# KiCad board Cockpit.kicad_pcb
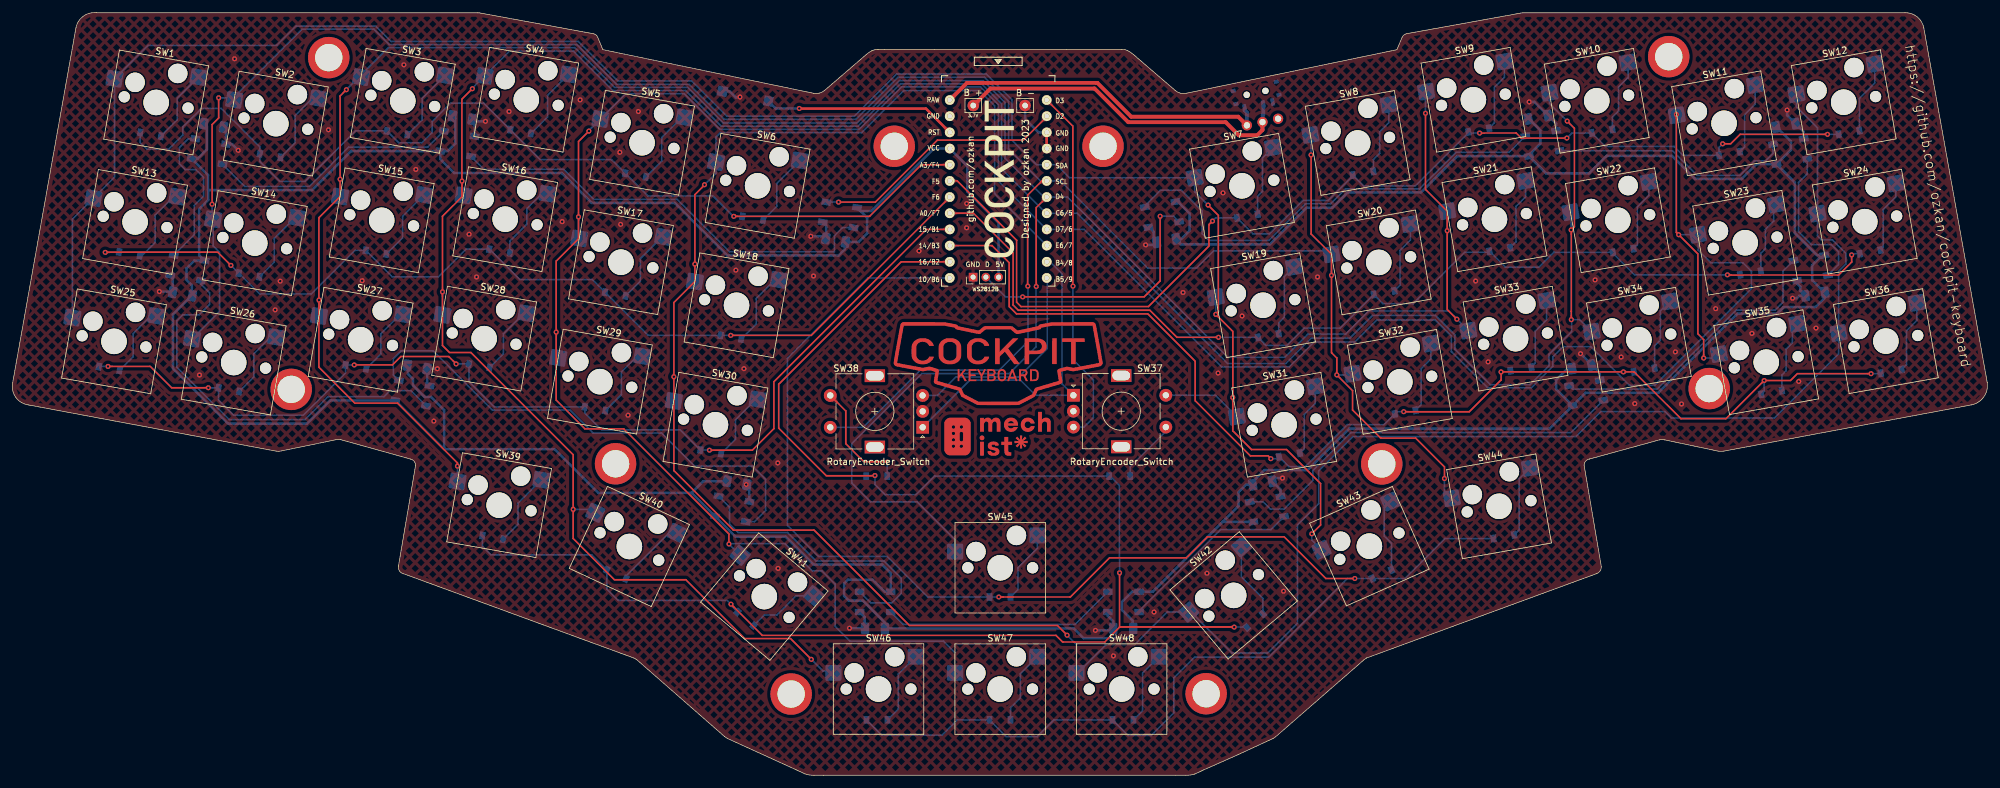
[diagram p0: board, top side]
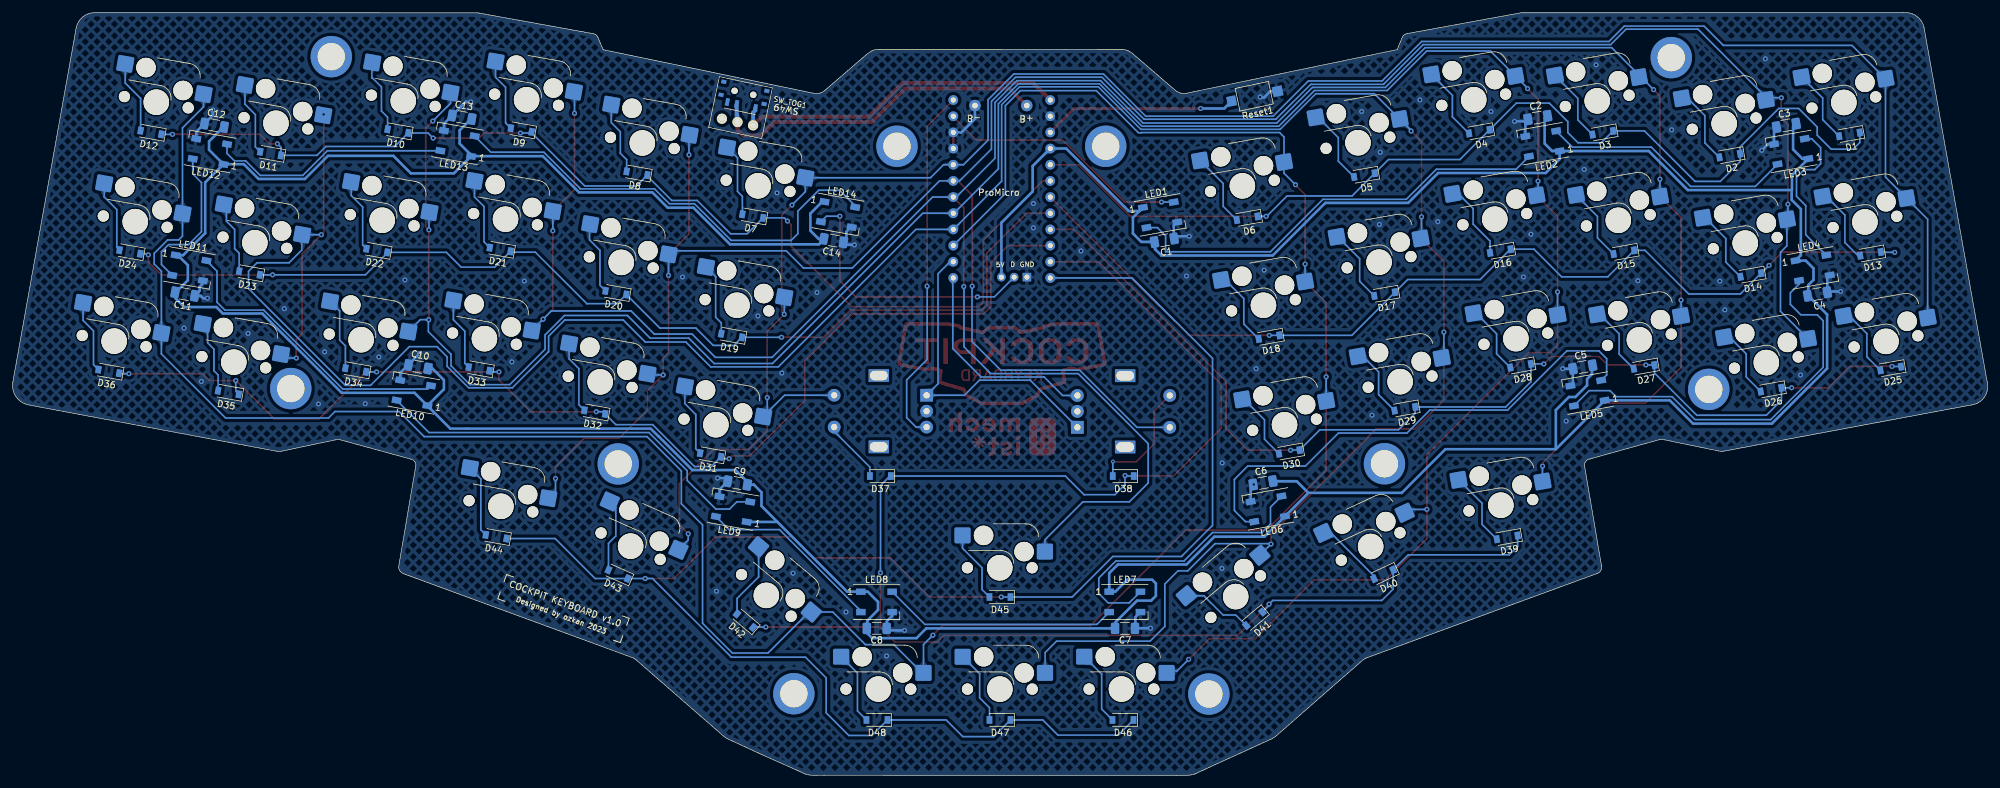
[diagram p1: board, bottom side, seen from below]

Outline 309.87 x 119.76 mm; copper layers: Top, Bottom. Coordinates in mm from the lower left corner of the outline.
Outline path: 2.42,58.17 arc(0.44,59.41) 0,61.7 9.92,117.4 arc(11.09,119.22) 13.17,119.76 72.93,119.74 73.18,119.74 91.08,116.47 arc(91.51,116.29) 91.8,115.91 92.6,113.96 125.68,107.11 arc(126.14,107.07) 126.6,107.13 arc(127.01,107.29) 127.37,107.53 133.95,113.19 arc(134.36,113.52) 134.82,113.79 arc(135.29,113.94) 135.77,114 136.79,114 144.59,114.01 165.36,114 174.06,114 arc(174.54,113.95) 175,113.79 arc(175.46,113.51) 175.88,113.19 182.45,107.53 arc(182.83,107.28) 183.25,107.11 arc(183.7,107.06) 184.15,107.11 217.22,113.96 218.03,115.87 arc(218.31,116.26) 218.75,116.47 236.58,119.69 236.9,119.74 296.94,119.76 arc(298.86,119.12) 299.9,117.4 309.87,61.66 arc(309.33,59.42) 307.39,58.17 268.44,50.89 arc(268.06,50.86) 267.68,50.89 259.2,52.68 arc(258.82,52.74) 258.44,52.68 247.41,49.66 arc(246.83,49.32) 246.61,48.68 249.29,32.82 arc(249.13,32.12) 248.57,31.67 212.41,18.4 211.99,18.08 198.19,6.05 197.81,5.79 192.38,3.28 186.82,0.81 185.51,0.2 arc(184.82,0.04) 184.11,0 182.52,0.01 127.26,0 125.72,0 arc(125.01,0.05) 124.32,0.21 123.05,0.81 112.16,5.77 111.73,6.06 97.9,18.17 97.48,18.41 61.26,31.67 arc(60.66,32.13) 60.53,32.87 63.22,48.68 arc(62.99,49.31) 62.41,49.66 51.39,52.72 arc(51.01,52.74) 50.63,52.68 42.15,50.94 arc(41.77,50.87) 41.38,50.89 2.42,58.17
Stack: Top 0.035mm / dielectric 1.51mm FR4 er 4.5 / Bottom 0.035mm

## Placement (name value [footprint] x y rotation side)
C1  C1206C105K5RACTU  [C_1206_3216Metric_Pad1.33x1.80mm_HandSolder]  129.15 84.02 350 bottom
C2  C1206C105K5RACTU  [C_1206_3216Metric_Pad1.33x1.80mm_HandSolder]  70.54 103.28 170 bottom
C3  C1206C105K5RACTU  [C_1206_3216Metric_Pad1.33x1.80mm_HandSolder]  31.53 102.06 170 bottom
C4  C1206C105K5RACTU  [C_1206_3216Metric_Pad1.33x1.80mm_HandSolder]  26.64 75.58 350 bottom
C5  C1206C105K5RACTU  [C_1206_3216Metric_Pad1.33x1.80mm_HandSolder]  63.48 64.12 170 bottom
C6  C1206C105K5RACTU  [C_1206_3216Metric_Pad1.33x1.80mm_HandSolder]  113.65 45.92 170 bottom
C7  C1206C105K5RACTU  [C_1206_3216Metric_Pad1.33x1.80mm_HandSolder]  135.31 23.06 0 bottom
C8  C1206C105K5RACTU  [C_1206_3216Metric_Pad1.33x1.80mm_HandSolder]  174.28 23.06 0 bottom
C9  C1206C105K5RACTU  [C_1206_3216Metric_Pad1.33x1.80mm_HandSolder]  196.13 45.9 190 bottom
C10  C1206C105K5RACTU  [C_1206_3216Metric_Pad1.33x1.80mm_HandSolder]  246.24 64.15 190 bottom
C11  C1206C105K5RACTU  [C_1206_3216Metric_Pad1.33x1.80mm_HandSolder]  282.85 75.57 10 bottom
C12  C1206C105K5RACTU  [C_1206_3216Metric_Pad1.33x1.80mm_HandSolder]  278.24 102.08 190 bottom
C13  C1206C105K5RACTU  [C_1206_3216Metric_Pad1.33x1.80mm_HandSolder]  239.38 103.35 190 bottom
C14  C1206C105K5RACTU  [C_1206_3216Metric_Pad1.33x1.80mm_HandSolder]  181.04 83.97 10 bottom
D1  1N4148W  [D_SOD-123]  21.63 100.66 350 bottom
D2  1N4148W  [D_SOD-123]  40.41 97.33 350 bottom
D3  1N4148W  [D_SOD-123]  60.33 100.91 350 bottom
D4  1N4148W  [D_SOD-123]  79.71 101.09 350 bottom
D5  1N4148W  [D_SOD-123]  97.74 94.26 350 bottom
D6  1N4148W  [D_SOD-123]  116.13 87.49 350 bottom
D7  1N4148W  [D_SOD-123]  193.74 87.82 10 bottom
D8  1N4148W  [D_SOD-123]  211.9 94.55 10 bottom
D9  1N4148W  [D_SOD-123]  230.06 101.34 10 bottom
D10  1N4148W  [D_SOD-123]  249.42 101.17 10 bottom
D11  1N4148W  [D_SOD-123]  269.4 97.64 10 bottom
D12  1N4148W  [D_SOD-123]  288.18 100.95 10 bottom
D13  1N4148W  [D_SOD-123]  18.32 81.9 350 bottom
D14  1N4148W  [D_SOD-123]  37.1 78.57 350 bottom
D15  1N4148W  [D_SOD-123]  57.02 82.15 350 bottom
D16  1N4148W  [D_SOD-123]  76.4 82.33 350 bottom
D17  1N4148W  [D_SOD-123]  94.57 75.57 350 bottom
D18  1N4148W  [D_SOD-123]  112.71 68.81 350 bottom
D19  1N4148W  [D_SOD-123]  197.05 69.06 10 bottom
D20  1N4148W  [D_SOD-123]  215.21 75.79 10 bottom
D21  1N4148W  [D_SOD-123]  233.37 82.58 10 bottom
D22  1N4148W  [D_SOD-123]  252.73 82.41 10 bottom
D23  1N4148W  [D_SOD-123]  272.71 78.88 10 bottom
D24  1N4148W  [D_SOD-123]  291.49 82.19 10 bottom
D25  1N4148W  [D_SOD-123]  15.14 63.89 350 bottom
D26  1N4148W  [D_SOD-123]  33.92 60.56 350 bottom
D27  1N4148W  [D_SOD-123]  53.85 64.14 350 bottom
D28  1N4148W  [D_SOD-123]  73.23 64.32 350 bottom
D29  1N4148W  [D_SOD-123]  91.39 57.56 350 bottom
D30  1N4148W  [D_SOD-123]  109.53 50.8 350 bottom
D31  1N4148W  [D_SOD-123]  200.36 50.3 10 bottom
D32  1N4148W  [D_SOD-123]  218.52 57.03 10 bottom
D33  1N4148W  [D_SOD-123]  236.68 63.82 10 bottom
D34  1N4148W  [D_SOD-123]  256.04 63.65 10 bottom
D35  1N4148W  [D_SOD-123]  276.02 60.12 10 bottom
D36  1N4148W  [D_SOD-123]  294.79 63.43 10 bottom
D37  1N4148W  [D_SOD-123]  173.71 46.99 0 bottom
D38  1N4148W  [D_SOD-123]  135.59 46.99 0 bottom
D39  1N4148W  [D_SOD-123]  75.33 37.36 350 bottom
D40  1N4148W  [D_SOD-123]  94.73 31.55 335 bottom
D41  1N4148W  [D_SOD-123]  115.02 24.57 320 bottom
D42  1N4148W  [D_SOD-123]  194.93 24.28 40 bottom
D43  1N4148W  [D_SOD-123]  214.87 31.57 24 bottom
D44  1N4148W  [D_SOD-123]  234 37.47 10 bottom
D45  1N4148W  [D_SOD-123]  154.93 28 0 bottom
D46  1N4148W  [D_SOD-123]  135.63 8.69 0 bottom
D47  1N4148W  [D_SOD-123]  154.93 8.69 0 bottom
D48  1N4148W  [D_SOD-123]  174.24 8.69 0 bottom
G***  -  [LOGO]  154.8 93.62 90 top
H1  MountingHole  [M2_HOLE]  214.84 48.89 0 top
H2  MountingHole  [M2_HOLE]  49.59 112.71 0 top
H3  MountingHole  [M2_HOLE]  259.88 112.86 0 top
H4  MountingHole  [M2_HOLE]  187.29 12.81 0 top
H5  MountingHole  [M2_HOLE]  122.16 12.76 0 top
H6  MountingHole  [M2_HOLE]  138.34 98.79 0 top
H7  MountingHole  [M2_HOLE]  94.6 48.92 0 top
H8  MountingHole  [M2_HOLE]  266.23 60.73 0 top
H9  MountingHole  [M2_HOLE]  43.7 60.6 0 top
H10  MountingHole  [M2_HOLE]  171.11 98.79 0 top
J1  Conn_01x01_Female  [Pin_D0.9mm_L10.0mm_W2.4mm_FlatFork]  158.87 105.18 0 top
J3  Conn_01x03_Female  [PinHeader_1x03_P2.00mm_Vertical]  150.71 78.23 90 top
JN  Conn_01x01_Female  [Pin_D0.9mm_L10.0mm_W2.4mm_FlatFork]  150.74 105.18 0 top
LED1  WS2812B  [LED_WS2812B_PLCC4_5.0x5.0mm_P3.2mm]  129.81 88.01 170 bottom
LED2  WS2812B  [LED_WS2812B_PLCC4_5.0x5.0mm_P3.2mm]  69.79 99.19 350 bottom
LED3  WS2812B  [LED_WS2812B_PLCC4_5.0x5.0mm_P3.2mm]  30.77 97.97 350 bottom
LED4  WS2812B  [LED_WS2812B_PLCC4_5.0x5.0mm_P3.2mm]  27.4 79.68 170 bottom
LED5  WS2812B  [LED_WS2812B_PLCC4_5.0x5.0mm_P3.2mm]  62.73 60.02 350 bottom
LED6  WS2812B  [LED_WS2812B_PLCC4_5.0x5.0mm_P3.2mm]  112.9 41.83 350 bottom
LED7  WS2812B  [LED_WS2812B_PLCC4_5.0x5.0mm_P3.2mm]  135.35 27.23 180 bottom
LED8  WS2812B  [LED_WS2812B_PLCC4_5.0x5.0mm_P3.2mm]  174.31 27.23 180 bottom
LED9  WS2812B  [LED_WS2812B_PLCC4_5.0x5.0mm_P3.2mm]  196.82 41.79 10 bottom
LED10  WS2812B  [LED_WS2812B_PLCC4_5.0x5.0mm_P3.2mm]  246.93 60.05 10 bottom
LED11  WS2812B  [LED_WS2812B_PLCC4_5.0x5.0mm_P3.2mm]  282.16 79.68 190 bottom
LED12  WS2812B  [LED_WS2812B_PLCC4_5.0x5.0mm_P3.2mm]  278.93 97.97 10 bottom
LED13  WS2812B  [LED_WS2812B_PLCC4_5.0x5.0mm_P3.2mm]  240.07 99.24 10 bottom
LED14  WS2812B  [LED_WS2812B_PLCC4_5.0x5.0mm_P3.2mm]  180.35 88.08 190 bottom
REF**  -  [mechist]  154.55 53.63 0 top
REF**#2  -  [cockpitlogo2]  155.05 65.57 0 top
Reset1  SW_KBD  [SW_SPST_RS-282G05A3-SM]  114.94 106.67 168 bottom
SW1  MX_SW_HS  [SW_Hotswap_Kailh_MX_1.00u]  22.51 105.66 350 top
SW2  MX_SW_HS  [SW_Hotswap_Kailh_MX_1.00u]  41.29 102.34 350 top
SW3  MX_SW_HS  [SW_Hotswap_Kailh_MX_1.00u]  61.21 105.92 350 top
SW4  MX_SW_HS  [SW_Hotswap_Kailh_MX_1.00u]  80.59 106.09 350 top
SW5  MX_SW_HS  [SW_Hotswap_Kailh_MX_1.00u]  98.76 99.34 350 top
SW6  MX_SW_HS  [SW_Hotswap_Kailh_MX_1.00u]  116.9 92.57 350 top
SW7  MX_SW_HS  [SW_Hotswap_Kailh_MX_1.00u]  192.9 92.58 10 top
SW8  MX_SW_HS  [SW_Hotswap_Kailh_MX_1.00u]  211.07 99.31 10 top
SW9  MX_SW_HS  [SW_Hotswap_Kailh_MX_1.00u]  229.23 106.09 10 top
SW10  MX_SW_HS  [SW_Hotswap_Kailh_MX_1.00u]  248.58 105.93 10 top
SW11  MX_SW_HS  [SW_Hotswap_Kailh_MX_1.00u]  268.56 102.4 10 top
SW12  MX_SW_HS  [SW_Hotswap_Kailh_MX_1.00u]  287.34 105.7 10 top
SW13  MX_SW_HS  [SW_Hotswap_Kailh_MX_1.00u]  19.2 86.9 350 top
SW14  MX_SW_HS  [SW_Hotswap_Kailh_MX_1.00u]  37.98 83.58 350 top
SW15  MX_SW_HS  [SW_Hotswap_Kailh_MX_1.00u]  57.9 87.16 350 top
SW16  MX_SW_HS  [SW_Hotswap_Kailh_MX_1.00u]  77.28 87.33 350 top
SW17  MX_SW_HS  [SW_Hotswap_Kailh_MX_1.00u]  95.45 80.58 350 top
SW18  MX_SW_HS  [SW_Hotswap_Kailh_MX_1.00u]  113.59 73.81 350 top
SW19  MX_SW_HS  [SW_Hotswap_Kailh_MX_1.00u]  196.21 73.82 10 top
SW20  MX_SW_HS  [SW_Hotswap_Kailh_MX_1.00u]  214.37 80.55 10 top
SW21  MX_SW_HS  [SW_Hotswap_Kailh_MX_1.00u]  232.53 87.33 10 top
SW22  MX_SW_HS  [SW_Hotswap_Kailh_MX_1.00u]  251.89 87.17 10 top
SW23  MX_SW_HS  [SW_Hotswap_Kailh_MX_1.00u]  271.87 83.63 10 top
SW24  MX_SW_HS  [SW_Hotswap_Kailh_MX_1.00u]  290.65 86.94 10 top
SW25  MX_SW_HS  [SW_Hotswap_Kailh_MX_1.00u]  15.89 68.14 350 top
SW26  MX_SW_HS  [SW_Hotswap_Kailh_MX_1.00u]  34.67 64.82 350 top
SW27  MX_SW_HS  [SW_Hotswap_Kailh_MX_1.00u]  54.6 68.4 350 top
SW28  MX_SW_HS  [SW_Hotswap_Kailh_MX_1.00u]  73.98 68.57 350 top
SW29  MX_SW_HS  [SW_Hotswap_Kailh_MX_1.00u]  92.14 61.82 350 top
SW30  MX_SW_HS  [SW_Hotswap_Kailh_MX_1.00u]  110.28 55.05 350 top
SW31  MX_SW_HS  [SW_Hotswap_Kailh_MX_1.00u]  199.52 55.06 10 top
SW32  MX_SW_HS  [SW_Hotswap_Kailh_MX_1.00u]  217.68 61.79 10 top
SW33  MX_SW_HS  [SW_Hotswap_Kailh_MX_1.00u]  235.84 68.57 10 top
SW34  MX_SW_HS  [SW_Hotswap_Kailh_MX_1.00u]  255.2 68.4 10 top
SW35  MX_SW_HS  [SW_Hotswap_Kailh_MX_1.00u]  275.18 64.87 10 top
SW36  MX_SW_HS  [SW_Hotswap_Kailh_MX_1.00u]  293.96 68.18 10 top
SW37  RotaryEncoder_Switch  [RotaryEncoder_Alps_EC11E-Switch_Vertical_H20mm]  166.46 59.68 0 top
SW38  RotaryEncoder_Switch  [RotaryEncoder_Alps_EC11E-Switch_Vertical_H20mm]  142.79 54.65 180 top
SW39  MX_SW_HS  [SW_Hotswap_Kailh_MX_1.00u]  76.33 42.41 350 top
SW40  MX_SW_HS  [SW_Hotswap_Kailh_MX_1.00u]  96.77 35.93 335 top
SW41  MX_SW_HS  [SW_Hotswap_Kailh_MX_1.50u_90deg]  117.95 28.06 320 top
SW42  MX_SW_HS  [SW_Hotswap_Kailh_MX_1.50u_90deg]  191.61 28.25 40 top
SW43  MX_SW_HS  [SW_Hotswap_Kailh_MX_1.00u]  212.9 35.98 24 top
SW44  MX_SW_HS  [SW_Hotswap_Kailh_MX_1.00u]  233.26 42.24 10 top
SW45  MX_SW_HS  [SW_Hotswap_Kailh_MX_1.00u]  154.97 32.59 0 top
SW46  MX_SW_HS  [SW_Hotswap_Kailh_MX_1.00u]  135.87 13.54 0 top
SW47  MX_SW_HS  [SW_Hotswap_Kailh_MX_1.00u]  154.96 13.53 0 top
SW48  MX_SW_HS  [SW_Hotswap_Kailh_MX_1.00u]  174.02 13.54 0 top
SW49  -  [MSK12C02]  196.26 105.42 12 bottom
SW_TOG1  -  [SS12D00]  196.13 102.59 12 bottom
U1  ProMicro  [ProMicro_v3.5]  154.66 91.57 0 top

## Footprints (pads in the part's own frame, mm; a bottom-side part is the same pattern mirrored in y, then rotated)
C_1206_3216Metric_Pad1.33x1.80mm_HandSolder
  rrect 1.325x1.8 smd: 1(-1.562,0) 2(1.562,0)
D_SOD-123
  rect 0.9x1.2 smd: 1(-1.65,0) 2(1.65,0)
LED_WS2812B_PLCC4_5.0x5.0mm_P3.2mm
  rect 1.5x1 smd: 1(-2.45,1.6) 2(-2.45,-1.6) 3(2.45,-1.6) 4(2.45,1.6)
M2_HOLE
  round 6.5 hole 4.3: (0,0)
MSK12C02
  rect 0.8x0.6 smd: (-4.2,-3) (-4.2,-0.9) (2.7,-3) (2.7,-0.9)
  round 1 hole 1 unplated: (-2.25,-1.95) (0.75,-1.95)
  rect 0.6x1.2 smd: 1(1.5,0) 2(0,0) 3(-3,0)
Pin_D0.9mm_L10.0mm_W2.4mm_FlatFork
  round 1.8 hole 0.9: 1(0,0)
PinHeader_1x03_P2.00mm_Vertical
  rect 1.35x1.35 hole 0.8: 1(0,0)
  oval 1.35x1.35 hole 0.8: 2(0,-2) 3(0,-4)
ProMicro_v3.5
  round 1.524 hole 0.813: 1(7.611,14.478) 2(7.611,11.938) 3(7.611,9.398) 4(7.611,6.858) 5(7.611,4.318) 6(7.611,1.778) 7(7.611,-0.762) 8(7.611,-3.302) 9(7.611,-5.842) 10(7.611,-8.382) 11(7.611,-10.922) 12(7.611,-13.462) 13(-7.609,-13.462) 14(-7.609,-10.922) 15(-7.609,-8.382) 16(-7.609,-5.842) 17(-7.609,-3.302) 18(-7.609,-0.762) 19(-7.609,1.778) 20(-7.609,4.318) 21(-7.609,6.858) 22(-7.609,9.398) 23(-7.609,11.938) 24(-7.609,14.478)
RotaryEncoder_Alps_EC11E-Switch_Vertical_H20mm
  rect 2x2 hole 1: A(0,0)
  round 2 hole 1: B(0,-5) C(0,-2.5) S1(14.5,-5) S2(14.5,0)
  rect 3.2x2 hole 2.8x1.5: MP(7.5,3.1) MP(7.5,-8.1)
SS12D00
  round 1.6 hole 1: 1(-2.5,0) 2(0,0) 3(2.5,0)
SW_Hotswap_Kailh_MX_1.00u
  round 1.75 hole 1.75 unplated: (-5.08,0) (5.08,0)
  round 3.05 hole 3.05 unplated: (-3.81,2.54) (2.54,5.08)
  round 4 hole 4 unplated: (0,0)
  rrect 2.55x2.5 smd far side: 1(-7.085,2.54) 2(5.842,5.08)
SW_Hotswap_Kailh_MX_1.50u_90deg
  round 1.75 hole 1.75 unplated: (-5.08,0) (5.08,0)
  round 3.05 hole 3.05 unplated: (-3.81,2.54) (2.54,5.08)
  round 4 hole 4 unplated: (0,0)
  rrect 2.55x2.5 smd far side: 1(-7.085,2.54) 2(5.842,5.08)
SW_SPST_RS-282G05A3-SM
  rect 1.435x1.59 smd: 1(-3.728,-0.025)
  rect 1.595x1.6 smd: 2(3.647,-0.01)

## Nets
GND: C1.1 C2.1 C3.1 C4.1 C5.1 C6.1 C7.1 C8.1 C9.1 C10.1 C11.1 C12.1 C13.1 C14.1 J1.1 J3.1 LED1.3 LED2.3 LED3.3 LED4.3 LED5.3 LED6.3 LED7.3 LED8.3 LED9.3 LED10.3 LED11.3 LED12.3 LED13.3 LED14.3 Reset1.2 SW37.C SW38.C U1.3 U1.4 U1.23
VCC: C1.2 C2.2 C3.2 C4.2 C5.2 C6.2 C7.2 C8.2 C9.2 C10.2 C11.2 C12.2 C13.2 C14.2 J3.3 LED1.1 LED2.1 LED3.1 LED4.1 LED5.1 LED6.1 LED7.1 LED8.1 LED9.1 LED10.1 LED11.1 LED12.1 LED13.1 LED14.1 U1.21
B4: SW37.A SW38.A U1.11
B5: SW38.B U1.12
COL0: SW1.1 SW7.1 SW13.1 SW19.1 SW25.1 SW31.1 SW37.S2 SW43.1 U1.5
COL1: SW2.1 SW8.1 SW14.1 SW20.1 SW26.1 SW32.1 SW38.S2 SW44.1 U1.6
COL2: SW3.1 SW9.1 SW15.1 SW21.1 SW27.1 SW33.1 SW39.1 SW45.1 U1.7
COL3: SW4.1 SW10.1 SW16.1 SW22.1 SW28.1 SW34.1 SW40.1 SW46.1 U1.8
COL4: SW5.1 SW11.1 SW17.1 SW23.1 SW29.1 SW35.1 SW41.1 SW47.1 U1.9
COL5: SW6.1 SW12.1 SW18.1 SW24.1 SW30.1 SW36.1 SW42.1 SW48.1 U1.10
D2: LED1.4 U1.2
D3: SW37.B U1.1
DOUT: J3.2 LED14.2
RAW: SW49.3 SW_TOG1.1 U1.24
ROW0: D1.1 D2.1 D3.1 D4.1 D5.1 D6.1 U1.20
ROW1: D7.1 D8.1 D9.1 D10.1 D11.1 D12.1 U1.19
ROW2: D13.1 D14.1 D15.1 D16.1 D17.1 D18.1 U1.18
ROW3: D19.1 D20.1 D21.1 D22.1 D23.1 D24.1 U1.17
ROW4: D25.1 D26.1 D27.1 D28.1 D29.1 D30.1 U1.16
ROW5: D31.1 D32.1 D33.1 D34.1 D35.1 D36.1 U1.15
ROW6: D37.1 D38.1 D39.1 D40.1 D41.1 D42.1 U1.14
ROW7: D43.1 D44.1 D45.1 D46.1 D47.1 D48.1 U1.13
RST: Reset1.1 U1.22
Net-(D1-Pad2): D1.2 SW1.2
Net-(D2-Pad2): D2.2 SW2.2
Net-(D3-Pad2): D3.2 SW3.2
Net-(D4-Pad2): D4.2 SW4.2
Net-(D5-Pad2): D5.2 SW5.2
Net-(D6-Pad2): D6.2 SW6.2
Net-(D7-Pad2): D7.2 SW7.2
Net-(D8-Pad2): D8.2 SW8.2
Net-(D9-Pad2): D9.2 SW9.2
Net-(D10-Pad2): D10.2 SW10.2
Net-(D11-Pad2): D11.2 SW11.2
Net-(D12-Pad2): D12.2 SW12.2
Net-(D13-Pad2): D13.2 SW13.2
Net-(D14-Pad2): D14.2 SW14.2
Net-(D15-Pad2): D15.2 SW15.2
Net-(D16-Pad2): D16.2 SW16.2
Net-(D17-Pad2): D17.2 SW17.2
Net-(D18-Pad2): D18.2 SW18.2
Net-(D19-Pad2): D19.2 SW19.2
Net-(D20-Pad2): D20.2 SW20.2
Net-(D21-Pad2): D21.2 SW21.2
Net-(D22-Pad2): D22.2 SW22.2
Net-(D23-Pad2): D23.2 SW23.2
Net-(D24-Pad2): D24.2 SW24.2
Net-(D25-Pad2): D25.2 SW25.2
Net-(D26-Pad2): D26.2 SW26.2
Net-(D27-Pad2): D27.2 SW27.2
Net-(D28-Pad2): D28.2 SW28.2
Net-(D29-Pad2): D29.2 SW29.2
Net-(D30-Pad2): D30.2 SW30.2
Net-(D31-Pad2): D31.2 SW31.2
Net-(D32-Pad2): D32.2 SW32.2
Net-(D33-Pad2): D33.2 SW33.2
Net-(D34-Pad2): D34.2 SW34.2
Net-(D35-Pad2): D35.2 SW35.2
Net-(D36-Pad2): D36.2 SW36.2
Net-(D37-Pad2): D37.2 SW37.S1
Net-(D38-Pad2): D38.2 SW38.S1
Net-(D39-Pad2): D39.2 SW39.2
Net-(D40-Pad2): D40.2 SW40.2
Net-(D41-Pad2): D41.2 SW41.2
Net-(D42-Pad2): D42.2 SW42.2
Net-(D43-Pad2): D43.2 SW43.2
Net-(D44-Pad2): D44.2 SW44.2
Net-(D45-Pad2): D45.2 SW45.2
Net-(D46-Pad2): D46.2 SW46.2
Net-(D47-Pad2): D47.2 SW47.2
Net-(D48-Pad2): D48.2 SW48.2
Net-(J2-Pad1): JN.1 SW49.2 SW_TOG1.2
Net-(LED1-Pad2): LED1.2 LED2.4
Net-(LED2-Pad2): LED2.2 LED3.4
Net-(LED3-Pad2): LED3.2 LED4.4
Net-(LED4-Pad2): LED4.2 LED5.4
Net-(LED5-Pad2): LED5.2 LED6.4
Net-(LED6-Pad2): LED6.2 LED7.4
Net-(LED7-Pad2): LED7.2 LED8.4
Net-(LED8-Pad2): LED8.2 LED9.4
Net-(LED10-Pad2): LED10.2 LED11.4
Net-(LED10-Pad4): LED9.2 LED10.4
Net-(LED11-Pad2): LED11.2 LED12.4
Net-(LED12-Pad2): LED12.2 LED13.4
Net-(LED13-Pad2): LED13.2 LED14.4

Pads without a net: SW37 MP; SW38 MP; SW49 1; SW_TOG1 3

## Via types
v1: diameter 0.6, hole 0.3, Top to Bottom, 1 via
v2: diameter 0.8, hole 0.4, Top to Bottom, 133 vias

## Routing (per net, layer and track width the routed paths; a pad name or vN(x,y) marks a point on that pad's centre or on a via; arc(x,y) is an arc through that point)
GND: length 82.4
  Top w0.4: 162.27,100.97 U1.4
  Bottom w0.4: v2(23.01,75.97) 24.98,75.97 25.1,76.09 25.1,78.13 LED4.3 ; v2(278.46,104.47) 278.46,103.66 281.07,101.06 LED12.3 ; v2(199.26,46.67) 198.17,46.67 C9.1 198.96,44.88 LED9.3 ; v2(125.24,84.65) 127.26,84.65 C1.1 127.66,84.35 127.66,86.32 LED1.3 ; v2(74.19,102.7) 72.4,102.7 72.48,102.61 LED2.3 ; v2(131.31,23.1) 133.72,23.1 133.69,23.13 133.69,24.84 LED7.3 ; C3.1 33.46,101.4 LED3.3 34.42,99.12 v2(35.39,98.15) ; LED14.3 178.33,86.08 179.04,85.37 179.04,84.16 C14.1 179.1,83.3 v2(177.79,83.3) ; v2(246.04,66.22) 249.06,63.2 LED10.3 ; J1.1 158.87,103.07 160.97,100.97 162.27,100.97 ; v2(237.99,105.75) 238.78,105.75 242.21,102.33 LED13.3 ; v2(66.64,63.85) C5.1 65.04,63.83 65.04,61.55 LED5.3 ; LED11.3 280.02,77.24 280.54,76.72 280.54,76.07 C11.1 280.37,75.3 279.99,74.92 v2(279.31,74.92) ; LED6.3 115.59,45.18 v2(115.11,45.67) ; v2(169.91,22.75) 172.4,22.75 C8.1 172.69,23.09 172.69,24.2 171.86,25.03 LED8.3 ; v2(114.11,106.52) 114.04,106.45 113.49,106.45 112.51,107.42 Reset1.2
  vias: v2(29.3,62.86) v2(34.81,112.52) v2(41.19,73.1) v2(41.98,77.6) v2(49.54,101.37) v2(54.83,77.67) v2(61.38,111.58) v2(63.26,95.15) v2(66.08,55.63) v2(71.62,84.96) v2(72.79,78.26) v2(77.89,104.24) v2(86.22,86.94) v2(89.04,106.07) v2(95.26,97.84) v2(95.39,86.51) v2(96.56,56.54) v2(98.19,104.24) v2(113.48,79.32) v2(114.75,63.86) v2(120.06,49.05) v2(120.11,32.49) v2(125.67,78.41) v2(142.23,82.35) v2(149.7,89.79) v2(149.7,85.98) v2(172.73,18.74) v2(179.11,25.63) v2(183.66,75.82) v2(187.42,31.72) v2(189.17,63.17) v2(189.93,91.46) v2(192.93,72.14) v2(199.43,28.9) v2(204.76,78.26) v2(229.58,77.62) v2(231.54,64.92) v2(248.33,77.8) v2(252.41,65.68) v2(254.55,58.37) v2(260.92,66.5) v2(261.89,58.32) v2(267.25,73.28) v2(272.94,69.39) v2(280.28,61.85) v2(283,70.23)
VCC: length 735.3
  Bottom w0.4: 106.54,44.35 108.37,46.18 112.2,46.18 ; 106.54,44.35 91.89,44.35 85.03,51.21 67.7,51.21 LED5.1 49.82,58.87 46.17,55.22 33.8,55.22 25.14,63.88 25.14,72.37 28.09,75.33 28.09,76.97 27.27,77.8 27.27,79.6 28.5,80.83 LED4.1 29.25,81.67 29.25,88.92 30.69,90.36 30.69,91.91 ; 106.54,44.35 LED6.1 110.21,40.68 113.43,37.46 121.3,37.46 125.67,33.1 136.44,33.1 137.8,31.74 LED7.1 136.84,28.83 134.96,30.71 131.05,30.71 130.47,30.12 130.47,28.17 131.22,27.42 133.43,27.42 136.79,24.06 136.79,23.06 166.51,23.06 168.04,21.54 175,21.54 175.75,22.3 175.75,24.29 174.08,25.96 174.08,27.23 175.68,28.83 LED8.1 178.91,28.83 189.87,39.79 ; 30.69,91.91 46.99,91.91 53.12,98.04 LED2.1 ; 30.69,91.91 30.65,91.95 30.65,94.25 LED3.1 28.99,96.82 30.47,98.3 30.47,101.93 30.08,102.32 ; LED12.1 279.67,93.09 279.67,85.14 283.13,81.68 LED11.1 283.96,81.68 282.39,80.11 282.39,77.74 284.3,75.83 284.3,74.89 282.95,73.53 277.92,73.53 276.9,72.52 270.7,72.52 258.26,60.07 246.82,60.07 LED10.1 ; LED12.1 276.8,95.97 279.06,98.22 279.06,99.55 276.79,101.82 ; LED12.1 273.6,95.97 271.29,93.65 264.02,93.65 260.39,97.28 250.13,97.28 247.39,94.54 240.63,94.54 LED13.1 ; LED2.1 68.28,98.04 69.46,99.21 69.46,103.17 69.09,103.54 ; LED2.1 67.1,96.77 69.28,94.59 86.17,94.59 90.87,89.89 103.88,89.89 112.13,81.64 129.61,81.64 130.6,82.63 130.6,83.77 132.75,83.77 134.08,85.09 134.08,87.58 LED1.1 133.04,88.62 134.74,88.62 144.54,98.43 U1.21 149.8,95.68 149.8,91.69 154.71,86.78 J3.3 ; 67.76,51.33 67.7,51.39 67.7,57.36 65.65,59.41 64.63,59.41 62.8,61.24 62.8,62.23 62.03,63 62.03,64.37 ; LED13.1 226.69,97.24 220.99,91.54 209.49,91.54 207.08,89.13 203.04,89.13 197.3,83.39 183.33,83.39 182.49,84.23 183.38,84.23 184.7,85.55 184.7,88.21 182.83,90.08 LED14.1 ; LED13.1 237.94,97.41 239.74,99.21 239.74,101.27 237.92,103.09 ; LED10.1 242.2,60.63 242.2,62.08 244.02,63.9 244.78,63.9 ; LED10.1 241.18,54.43 238.34,54.43 ; 189.87,39.79 192.37,42.29 192.37,44.45 193.56,45.64 194.68,45.64 194.71,45.67 194.71,46.2 196.43,47.93 203.21,47.93 208.47,53.19 208.5,53.19 209.74,54.43 238.8,54.43 ; 189.87,39.79 LED9.1
B4: length 50.7
  Bottom w0.25: SW38.A 150.19,62.04 158.16,62.04 160.52,59.68 SW37.A 164.66,61.48 164.66,78.76 162.78,80.65 U1.11
B5: length 33.7
  Bottom w0.25: U1.12 162.35,78.03 162.35,67.01 157.89,62.55 148.01,62.55 145.11,59.65 SW38.B
COL0: length 322.1
  Top w0.25: v2(203.86,37.92) 205.25,39.31 205.25,45.8 199.89,51.16 194.4,51.16 191.46,54.09 v2(191.46,59.32) 191.47,59.33 191.47,69.71 v2(188.79,72.38) 189.2,72.79 189.2,87.94 v2(187.59,89.55)
  Bottom w0.25: SW37.S2 188.75,59.68 SW31.1 191.46,56.96 v2(191.46,59.32) ; SW25.1 9.36,87.33 SW13.1 15.97,93.94 SW1.1 15.99,109.39 21.22,114.63 41.42,114.63 44.44,117.65 56.96,117.65 59.37,115.24 88.76,115.24 94.96,109.04 106.54,109.04 112.08,103.5 132.07,103.5 138.7,110.13 152.77,110.13 156.81,106.1 156.81,99.75 160.67,95.89 U1.5 163.79,95.89 165.83,93.85 SW7.1 185.48,91.65 v2(187.59,89.55) ; v2(188.79,72.38) SW19.1 ; SW43.1 203.86,36.95 v2(203.86,37.92)
COL1: length 385.3
  Top w0.25: v2(203.75,97.43) 203.75,85.02 SW20.1 v2(206.96,78.51) 206.96,66.36 207.79,65.53 v2(207.79,62.87) 210.26,60.4 210.26,57.37 214.67,52.96 220.16,52.96 224.69,48.43 v2(224.69,46.6) ; v2(32.31,106.4) 32.31,103.21 31.28,102.18 v2(31.28,89.68) ; U1.6 161.51,93.35 159.27,91.11 159.27,76.83 v2(159.3,76.81)
  Bottom w0.25: v2(224.69,46.6) 224.69,44.66 SW44.1 ; SW38.S2 133.45,54.65 142.41,63.61 154.81,63.61 159.32,68.13 159.32,76.78 v2(159.3,76.81) ; SW32.1 210.08,62.87 v2(207.79,62.87) ; v2(31.28,89.68) 31.28,87.47 SW14.1 31.45,83.15 32.45,82.14 32.45,72.86 SW26.1 ; v2(32.31,106.4) 34.61,106.4 45.39,117.17 56.68,117.17 59.1,114.76 88.51,114.76 94.76,108.51 106.16,108.51 111.65,103.02 132.32,103.02 138.93,109.63 152.49,109.63 156.28,105.84 156.28,98.35 161.28,93.35 U1.6 164.43,93.35 178.12,79.65 185.76,79.65 188.48,82.37 206.4,82.37 SW20.1 v2(206.96,78.51) ; v2(203.75,97.43) 203.75,100.48 SW8.1